# Allegro board 1155001-Timing_board_V3_20241024_1805_pcb.brd (continued)
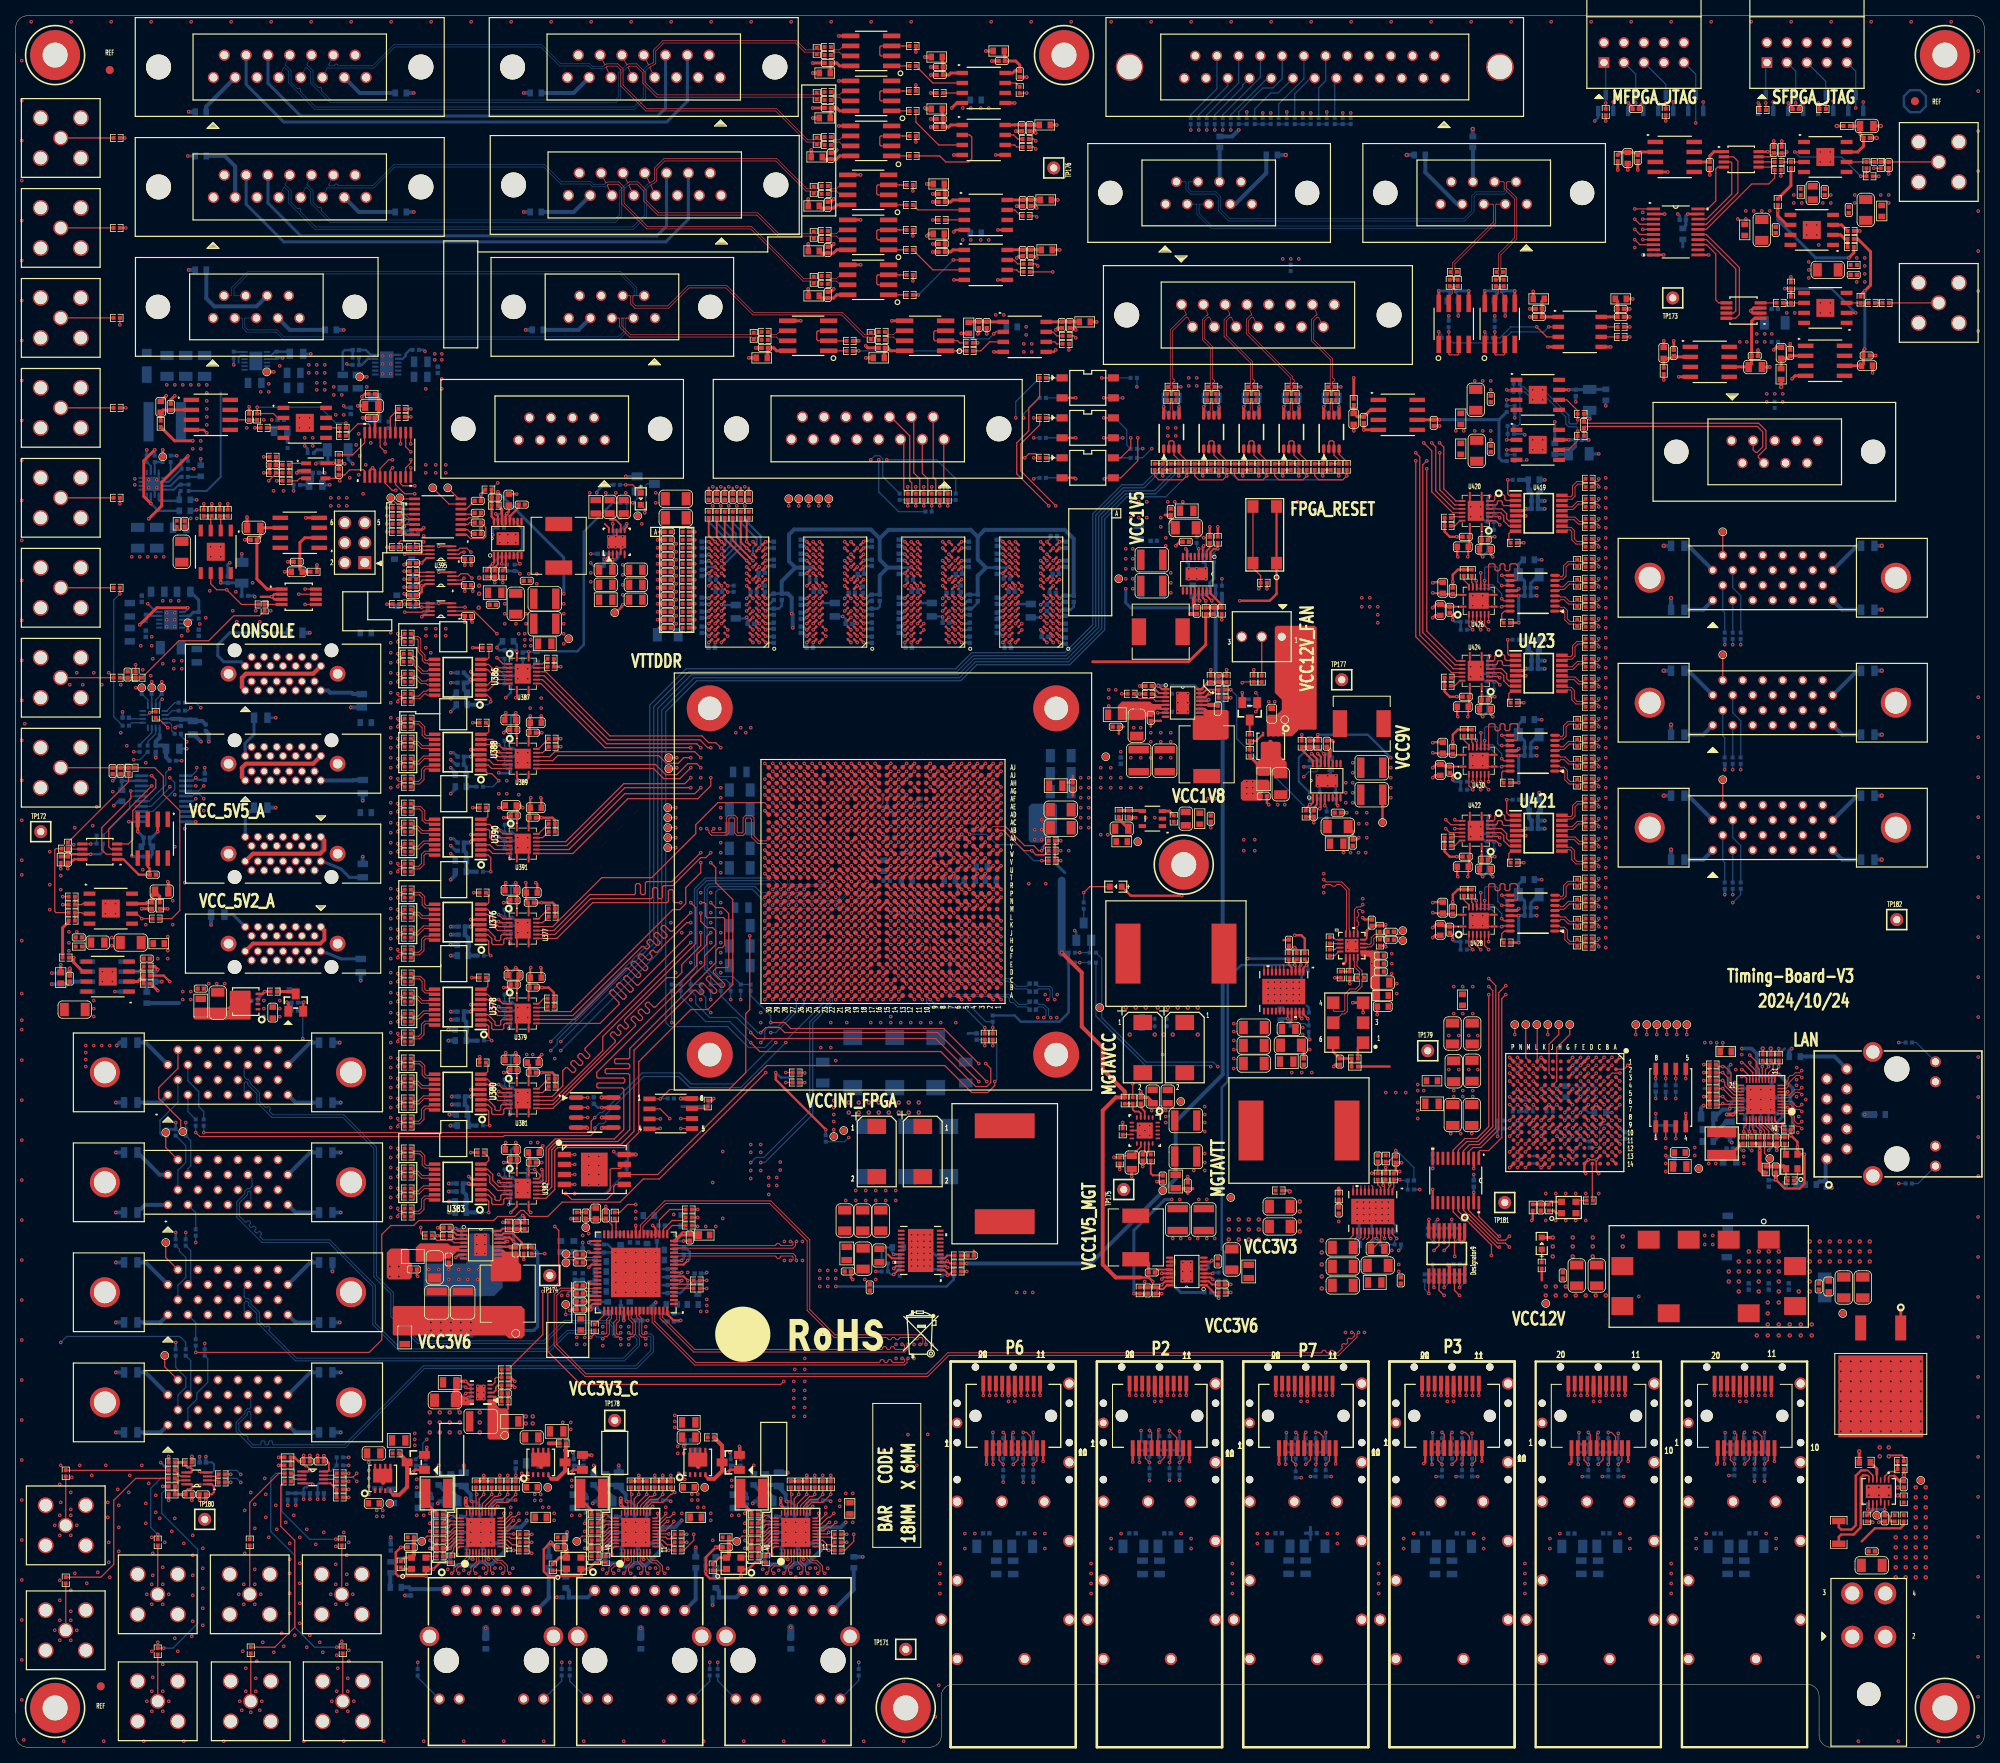
[diagram p0: board, top side]
## Routing (per net, layer and track width the routed paths; a pad name or vN(x,y) marks a point on that pad's centre or on a via; arc(x,y) is an arc through that point) (continued)
  TOP w0.305: v1(132.72,112.65) R337.1 R339.1 R338.1 v1(132.72,115.19) ; U383.5 57.91,72.14 v1(57.53,72.52) ; R2628.2 v1(42.29,32.77) ; v1(66.93,76.41) 66.49,75.96 C2894.1 ; R1054.1 C1165.2 v1(164.85,117.47) ; U88.B4 v1(202.72,84.64) ; U247.H23 v1(102.14,102) ; 140.08,128.78 140.1,128.8 C1183.1 140.72,129.67 ; U247.L2 v1(124.14,105) ; U77.G9 v1(88.03,145.17) ; U247.T12 v1(114.14,111) ; U247.M8 v1(118.14,106) ; U247.G26 v1(99.14,101) ; U88.D5 v1(200.72,83.64) ; P6.11 v1(130.08,44.7) ; P9.11 v1(204.38,44.7) ; C3072.2 180.03,107.38 v1(179.96,107.31) ; U247.Y3 v1(123.14,115) ; U78.T1 v1(107.67,153.17) ; v1(66.8,88.01) 66.36,87.57 C2883.1 ; U88.K9 v1(193.72,78.65) ; U247.R2 v1(124.14,109) ; C3078.2 180.9,123.51 180.28,123.51 v1(179.96,123.19) ; v1(183.13,110.62) 183.07,110.68 C3034.1 ; U247.P10 v1(116.14,108) ; C3032.1 v1(183.01,153.8) 182.12,153.8 181.46,154.45 R3209.2 R3211.2 ; U247.E9 v1(117.14,99) ; U247.V23 v1(102.14,113) ; U88.C2 v1(201.72,86.64) ; C505.2 206.14,208.49 v1(206.69,209.04) ; C2877.1 66.74,98.99 v1(66.67,99.06) ; U7.4 v1(70.99,71.51) ; C553.2 v1(81.51,146.3) ; R2919.2 R2917.2 68.47,85.42 68.17,85.72 v1(66.8,85.72) C2887.1 ; C938.1 171.3,105.18 v1(171.07,105.41) ; U247.A1 v1(125.14,95) ; U247.P4 v1(122.14,108) ; U247.G9 v1(117.14,101) ; v1(199.72,74.64) U88.E14 199.22,73.06 v1(199.39,72.9) ; U88.E8 v1(199.72,79.65) ; C2915.1 62.23,130.65 v1(62.23,131.44) ; C2529.2 v1(63.63,159.22) ; U247.J2 v1(124.14,103) ; C2921.1 62.57,118.11 v1(61.98,118.11) ; C865.2 R844.1 ; U77.G8 v1(88.83,145.17) ; U247.N2 v1(124.14,108) ; C3069.2 182.19,144.13 182.5,143.82 v1(182.5,143.26) ; R3227.2 R3225.2 181.46,113.81 182.12,113.16 v1(183.01,113.16) C3037.1 ; U77.F9 v1(88.03,144.37) ; U247.H8 v1(118.14,102) ; U78.G8 v1(101.27,145.17) ; U77.B3 v1(93.63,141.17) ; C555.2 v1(81.51,147.32) ; U247.U11 v1(115.14,112) ; P7.11 v1(167.23,44.7) ; R2967.2 R2965.2 v1(69.22,137.29) ; U247.U1 v1(125.14,112) ; U390.5 v1(57.78,115.96) ; R2448.1 v1(33.15,160.91) ; C629.2 v1(81.51,148.33) ; U247.AA6 v1(120.14,116) ; U88.N9 v1(190.72,78.65) ; U247.A2 v1(124.14,95) ; U431.11 v1(179.95,70.87) ; U247.K9 v1(117.14,104) ; U88.N12 v1(190.72,75.65) ; U88.C9 v1(201.72,79.64) U88.C8 ; U247.R9 v1(117.14,109) ; U323.2 32.84,146.5 v1(32.51,146.18) ; U247.K17 v1(108.14,104) ; C3071.2 v1(182.5,107.44) 182.5,108.33 183.15,108.99 R3263.2 R3264.2 ; v1(81.85,78.63) 81.79,78.57 U6.4 ; U318.8 7.41,112.82 6.97,112.38 C2586.1 v1(6.6,111.63) ; C1229.1 v1(143.13,73.79) ; v1(61.98,107.31) 62.52,107.31 C2875.1 ; U247.L1 v1(125.14,105) ; U247.R22 v1(103.14,109) ; P9.1 197.58,36.25 v1(197.38,36.04) ; U77.J2 v1(94.43,147.57) ; U76.E2 v1(131.77,143.57) ; C2947.2 58.05,147.43 v1(58.05,146.89) ; U88.A9 v1(203.72,78.65) ; R2873.1 v1(58.17,108.58) ; v1(5.97,107.06) R3115.1 ; C2879.1 62.85,96.82 62.54,96.52 v1(61.98,96.52) ; C633.2 v1(81.51,150.37) ; U76.G1 v1(132.57,145.17) ; U247.R15 v1(111.14,109) ; U247.E12 v1(114.14,99) ; C3035.1 186.96,112.85 187.27,113.16 v1(187.83,113.16) ; U247.C6 v1(120.14,97) ; C2425.1 v1(29.64,170.31) ; C2944.2 R3006.1 v1(31.5,161.93) ; U386.5 58.16,136.28 v1(57.78,136.65) ; C2864.2 v1(48.9,25.4) 48.26,24.77 48.26,22.06 48.56,21.75 v1(52.11,21.75) U375.2 v1(53.05,22.64) 53.88,23.48 v1(54.5,23.48) R2750.2 ; U78.E8 v1(101.27,143.57) ; U247.N17 v1(108.14,107) ; R2907.1 v1(58.91,87.76) ; C546.2 89.03,160.02 ; v1(57.96,142.95) 57.83,143.08 C2949.2 ; U88.M8 v1(191.72,79.65) ; P9.10 v1(204.78,36.32) ; U78.B1 v1(107.67,141.17) ; R1105.1 v1(154.31,57.78) ; U78.J2 v1(106.87,147.57) ; C547.2 90.04,160.02 ; U247.Y9 v1(117.14,115) ; U408.5 v1(124.46,202.31) ; U247.B21 v1(104.14,96) ; P2.20 v1(141.46,44.7) ; U88.L4 v1(192.72,84.64) ; C3114.1 v1(237.87,199.9) ; U78.B3 v1(106.07,141.17) ; U77.B9 v1(88.03,141.17) ; C2888.1 62.49,85.72 v1(61.98,85.72) ; C3046.1 186.96,133.17 187.27,133.48 v1(187.83,133.48) ; U247.M14 v1(112.14,106) U247.L14 ; v1(111.14,107) U247.N15 U247.M16 ; v1(134.62,161.16) 134.49,161.29 U304.2 ; U247.V16 v1(109.14,113) ; C1213.2 163.58,88.9 C1211.1 ; U247.B4 v1(122.14,96) ; U413.5 v1(124.71,186.44) ; v1(159.13,119.76) 158.9,120 C1348.1 ; U247.M21 v1(105.14,107) ; C2895.1 v1(66.8,74.3) ; C2920.1 v1(66.8,118.11) 68.17,118.11 68.47,117.8 R2998.2 R2997.2 ; U78.F9 v1(100.47,144.37) ; U77.P9 v1(88.03,151.57) ; v1(227.01,209.04) 226.46,208.49 C799.2 ; U77.T1 v1(95.23,153.17) ; U247.E6 v1(120.14,99) ; Q29.2 36.51,94.6 v1(36.58,94.67) ; U247.W17 v1(108.14,114) ; R3274.2 R3273.2 183.15,129.31 182.5,128.65 v1(182.5,127.76) C3075.2 ; v1(201.04,72.9) 200.79,73.14 ; U247.H4 v1(122.14,102) ; C3068.2 180.02,148.02 v1(179.96,147.96) ; U247.G1 v1(125.14,101) ; U76.M9 v1(125.37,149.17) ; P7.10 v1(167.63,36.01) ; U247.V8 v1(118.14,112) ; U247.T19 v1(106.14,111) ; C1007.1 C1029.2 70.61,55.63 70.48,55.5 v1(70.36,55.5) ; v1(170.56,115.57) 170.33,115.34 C1181.1 169.8,116.39 C1162.2 ; C2880.1 62.55,98.12 62.55,98.74 v1(62.23,99.06) ; U247.W9 v1(116.14,113) U247.V10 ; v1(61.98,128.91) 62.33,129.26 C2914.1 ; U247.P25 v1(100.14,108) ; U247.J9 v1(117.14,103) ; U247.T10 v1(116.14,111) ; R41.2 v1(158.9,147.19) ; U88.D11 v1(200.72,76.65) ; C1238.2 v1(141.73,72.52) ; U88.H5 v1(195.72,83.64) ; U247.A24 v1(101.14,95) ; U78.T9 v1(100.47,153.17) ; C1273.1 v1(54.99,60.71) ; R3382.2 v1(162.94,161.54) ; v1(61.98,74.3) 62.46,74.3 C2896.1 ; v1(101.14,116) U247.AA24 ; U77.J8 v1(88.83,147.57) ; U247.K27 v1(98.14,104) ; C1230.1 v1(148.84,72.52) ; 145.41,130.43 145.4,130.41 C1177.1 144.15,129.67 ; C936.2 v1(172.91,93.09) ; C603.2 v1(81.51,143.25) ; U247.L24 v1(101.14,105) ; v1(67.94,26.04) 67.06,25.15 67.06,22.35 67.65,21.75 v1(71.79,21.75) U326.2 v1(72.73,22.64) 73.57,23.48 v1(74.19,23.48) R2476.2 ; v1(187.58,130.94) 187.26,131.25 187.26,131.88 C3045.1 ; v1(183.13,151.26) 183.07,151.32 C3030.1 ; P7.14 v1(164.83,44.7) ; C2948.2 49.5,146.38 v1(49.33,146.56) ; U88.K14 v1(193.72,73.65) ; v1(199.72,87.64) U88.E1 v1(198.72,86.65) ; U247.M18 v1(107.14,106) ; U247.W30 v1(95.14,114) ; U271.2 44.97,162.21 v1(45.31,162.56) 45.62,162.26 U271.3 ; R1073.2 v1(153.16,143.26) ; R1004.1 v1(70.5,67.16) ; U432.2 183.36,64.41 v1(183.64,64.14) 184.01,64.51 U432.1 ; U414.5 v1(124.71,192.79) ; v1(178.8,36.04) 179.01,36.25 P3.1 ; U419.5 v1(191.76,156.46) ; U323.3 32.84,145.85 v1(32.51,146.18) ; R988.1 v1(167.51,97.77) ; U76.A9 v1(125.37,140.37) ; U247.D9 v1(117.14,98) ; C1221.2 v1(154.31,58.8) ; C2638.1 v1(151.76,116.84) ; R2530.2 161.67,70.74 v2(161.8,70.61) ; U88.F9 v1(197.72,78.65) ; U247.R1 v1(125.14,109) ; U247.T14 v1(112.14,111) ; U380.5 v1(57.79,83.57) ; R3366.2 v1(152.78,161.54) ; P3.14 v1(183.41,44.7) ; U75.F9 v1(112.92,144.37) ; U247.V12 v1(114.14,113) ; U88.K5 v1(193.72,83.64) ; U247.N9 v1(117.14,107) ; U247.U15 v1(111.14,112) ; U88.P1 v1(189.72,87.64) ; U247.G16 v1(109.14,101) ; U88.J6 v1(194.72,82.64) ; R2986.1 v1(58.04,119.38) ; C3073.2 182.2,103.49 182.5,103.18 v1(182.5,102.62) ; C1163.1 v1(169.04,118.75) ; U88.G12 v1(197.72,75.65) ; C2884.1 62.16,87.35 62.16,88.2 v1(62.23,88.27) ; U247.AB3 v1(123.14,117) ; U303.2 v1(134.62,166.37) ; R2751.1 C2865.2 ; U247.F4 v1(122.14,100) ; v1(49.33,150.24) 49.53,150.44 C2946.2 ; U88.C13 v1(200.72,74.65) ; U88.L8 v1(192.72,79.65) U88.M9 ; U247.D4 v1(122.14,98) ; P9.17 v1(199.58,44.7) ; P8.1 216.16,36.12 v1(216.03,35.99) ; U247.C1 v1(125.14,97) ; U76.G9 v1(125.37,145.17) ; v1(84.81,64.32) 84.86,64.37 C1014.2 ; U88.L11 v1(192.72,76.65) ; U77.E8 v1(88.83,143.57) ; U247.H13 v1(112.14,102) ; U247.R6 v1(120.14,109) ; U247.U6 v1(120.14,112) ; U77.M9 v1(88.03,149.17) ; R2982.2 v1(69.22,128.14) ; U247.Y7 v1(119.14,115) ; U247.P18 v1(107.14,108) ; U247.AH23 v1(102.14,123) ; U88.B7 v1(202.72,81.64) ; U88.B9 v1(202.72,78.65) ; R2924.1 v1(57.78,75.56) ; C1182.1 106.06,59.67 v1(106.3,59.44) ; U88.N5 v1(190.72,83.64) ; U247.U9 v1(117.14,112) U247.V9 ; R3235.1 v1(191.52,132.72) ; C3070.2 180.9,143.83 180.27,143.83 v1(179.96,143.51) ; R2971.1 v1(58.04,130.18) ; U88.L10 v1(192.72,77.65) ; C3036.1 187.29,110.91 v1(187.58,110.62) ; U247.AG26 v1(99.14,122) ; U247.W2 v1(124.14,114) ; C2912.1 v1(66.74,131.04) ; U247.F29 v1(96.14,100) ; C2945.2 v1(57.83,150.19) ; U247.E2 v1(124.14,99) ; U76.D1 v1(132.57,142.77) ; U432.8 v1(179.46,67.06) ; R2508.1 C2630.2 ; U247.T18 v1(107.14,111) ; v1(32.51,146.18) 31.11,146.18 ; C2876.1 62.16,108.92 62.16,109.79 v1(62.23,109.86) ; C1188.1 147.83,153.16 v1(147.32,152.65) ; R3203.1 v1(191.52,153.03) ; U268.4 23.88,167.39 v1(24.26,167) ; C548.2 v1(81.51,144.27) ; U247.H9 v1(117.14,102) ; R3111.1 v1(25.91,157.99) ; U88.G6 v1(197.72,81.65) ; U247.J20 v1(106.14,103) ; U88.D7 v1(200.72,81.64) U88.C7 ; U247.A6 v1(120.14,95) ; P2.10 v1(149.06,36.32) ; C597.2 91.06,160.02 ; U247.L10 v1(116.14,105) ; U88.J8 v1(194.72,79.65) ; U247.A9 v1(117.14,95) ; U88.A1 v1(203.72,87.64) ; R2954.1 v1(58.04,139.7) ; R2891.1 v1(57.91,97.79) ; C3067.2 v1(182.5,148.08) 182.5,148.97 183.15,149.63 R3251.2 R3252.2 ; R1065.2 v1(142.75,133.83) ; R2886.2 R2883.2 68.47,107.04 68.2,107.31 v1(66.8,107.31) C2873.1 ; U77.D8 v1(88.83,142.77) ; U247.U26 v1(99.14,112) ; P8.17 v1(218.16,44.7) ; U88.J10 v1(195.72,78.65) U88.H9 ; U76.P9 v1(125.37,151.57) ; U247.B9 v1(117.14,96) ; U88.E6 v1(199.72,82.64) ; v1(60.83,147.98) C2530.2 R2276.1 ; U247.B8 v1(118.14,96) ; v1(66.04,109.86) 66.23,109.66 C2874.1 ; U88.A14 v1(202.72,74.64) ; U247.D8 v1(118.14,98) ; U403.5 131.83,177.29 v1(132.08,177.55) ; v1(88.9,25.4) 87.63,24.13 v1(87.63,22.35) 87.63,21.97 88.14,21.46 91.82,21.46 v1(92.11,21.75) U328.2 v1(93.05,22.64) 93.89,23.48 v1(94.51,23.48) R2507.2 ; R3344.1 v1(225.44,186.82) ; C2253.2 v1(59.07,154.89) ; U247.V14 v1(112.14,113) ; P7.17 v1(162.43,44.7) ; v1(187.83,153.8) 187.27,153.8 186.96,153.49 C3031.1 ; U247.D15 v1(110.14,98) ; U77.G1 v1(95.23,145.17) ; U88.L6 v1(192.72,82.64) ; R3286.2 v1(236.6,199.61) ; R1056.2 v1(163.32,128.65) ; U78.E2 v1(106.87,143.57) ; v1(179.96,102.87) 180.28,103.19 180.9,103.19 C3074.2 ; U78.M9 v1(100.47,149.17) ; U88.J7 v1(194.72,81.64) 194.22,81.15 U88.K7 ; R2477.1 C2615.2 ; R2403.2 63.12,45.97 v1(63.37,45.72) ; U78.P9 v1(100.47,151.57) ; C2897.1 62.16,76.77 v1(62.23,76.83) ; U247.R13 v1(113.14,109) ; C1185.2 134.24,120.9 ; U247.AA1 v1(125.14,116) ; P7.20 v1(160.03,44.7) ; P2.14 v1(146.26,44.7) ; P2.17 v1(143.86,44.7) ; U247.L6 v1(120.14,105) ; U247.P16 v1(109.14,108) ; U76.B9 v1(125.37,141.17) ; U247.B11 v1(115.14,96) ; U247.D25 v1(100.14,98) ; U88.F5 v1(198.72,83.64) ; v1(61.34,119.38) 61.89,119.38 C2922.1 ; U247.AK27 v1(98.14,125) ; U247.N13 v1(113.14,107) ; v1(171.12,93.34) U103.3 ; U76.D8 v1(126.17,142.77) ; C524.2 v1(81.51,152.4) ; U247.R17 v1(108.14,109) ; U77.E2 v1(94.43,143.57) ; U247.N6 v1(120.14,107) ; U247.J6 v1(120.14,103) ; v1(223.52,72.14) 224.66,70.99 226.57,70.99 227.17,71.59 v1(227.17,75.35) U94.2 v1(226.28,76.29) 226.28,76.91 v1(225.44,77.74) R845.2 ; C554.2 92.08,160.02 ; U88.A6 v1(203.72,82.64) ; U247.Y17 v1(108.14,115) ; U247.R11 v1(115.14,109) ; U247.N11 v1(115.14,107) ; C552.2 v1(81.51,145.28) ; U247.U2 v1(124.14,112) ; U247.AA5 v1(121.14,115) ; U247.Y8 v1(118.14,115) ; C3047.1 v1(183.01,133.48) 182.12,133.48 181.46,134.13 R3241.2 R3243.2 ; U247.AA2 v1(124.14,116) ; R3358.2 v1(157.86,161.54) ; R2901.2 R2903.2 68.35,95.87 67.69,96.52 v1(66.8,96.52) C2878.1 ; U247.AA7 v1(119.14,116) ; U78.D8 v1(101.27,142.77) ; C3044.1 183.07,131 v1(183.13,130.94) ; U247.J30 v1(95.14,103) ; U78.A9 v1(100.47,140.37) ; U247.V4 v1(122.14,113) ; C1190.2 v1(151.64,155.07) ; R1070.1 v1(152.65,155.07) ; U247.AB4 v1(122.14,117) ; U247.AD25 v1(100.14,119) ; U78.P1 v1(107.67,151.57) ; C632.2 v1(81.51,151.38) ; C628.2 v1(81.51,149.35) ; Q21.2 v1(155.77,133.99) ; v1(179.96,127.64) 180.03,127.7 C3076.2 ; U247.W6 v1(120.14,113) ; U247.W11 v1(115.14,114) ; U76.B3 v1(130.17,141.97) ; U76.B1 v1(132.57,141.17) ; U77.M1 v1(95.23,149.97) ; C2992.2 127.36,189.46 v1(127.13,189.23) ; U435.11 v1(215.01,189.61) ; P3.11 v1(185.81,44.7) ; P9.14 v1(201.98,44.7) ; P6.14 v1(127.68,44.7) ; R3028.1 v1(47.14,152.48) ; U247.T4 v1(122.14,111) ; U88.G3 v1(197.72,85.64) ; U78.G9 v1(100.47,145.17) ; P8.11 v1(222.96,44.7) ; U77.B1 v1(95.23,141.17) ; U247.T16 v1(109.14,111) ; P8.14 v1(220.56,44.7) ; v1(51.82,154.94) 51.59,154.71 U3.15 ; P8.10 v1(223.36,36.32) ; v1(182.5,122.94) 182.5,123.5 182.2,123.81 C3077.2 ; P3.17 v1(181.01,44.7) ; U247.J10 v1(116.14,103) ; P8.20 v1(215.76,44.7) ; C3033.1 187.26,152.2 187.26,151.57 v1(187.58,151.26) ; U280.2 v1(134.62,171.45) ; U88.N3 v1(190.72,85.64) ; U247.AB21 v1(105.14,117) ; U247.N28 v1(97.14,107) ; U247.A14 v1(111.14,95) ; C2991.1 129.43,189.46 v1(129.67,189.23) ; U78.J8 v1(101.27,147.57) ; U88.G10 v1(197.72,77.65) ; U78.E1 v1(107.67,143.57) ; U247.L9 v1(117.14,105) ; P3.10 v1(186.21,36.32) ; R1147.2 v1(61.87,66.69) ; U247.T29 v1(96.14,111) ; U247.Y27 v1(98.14,115) ; U376.5 v1(57.78,105.16) ; C600.2 88.01,160.02 ; R1144.2 v1(53.56,64.99) ; U434.8 v1(222.5,202.72) ; U88.E3 v1(199.72,85.64) ; U247.C2 v1(124.14,97) ; U247.E1 v1(125.14,99) ; P3.20 v1(178.61,44.7) ; U88.E10 v1(199.72,77.65) ; C2435.1 50.95,59.92 v1(51.05,59.82) ; U247.U17 v1(108.14,112) ; U247.M12 v1(114.14,106) ; U76.J8 v1(126.17,147.57) ; U88.P14 v1(189.72,73.65) ; U247.U13 v1(113.14,112) ; U247.J1 v1(125.14,103) ; U89.4 v1(212.09,80.52) ; U247.W15 v1(110.14,114) ; U247.G6 v1(120.14,101) ; U78.G1 v1(107.67,145.17) ; U247.N1 v1(125.14,108) ; U247.G2 v1(124.14,101) ; C2254.2 v1(59.07,159.13) 59.07,159.23 R2279.2 ; U421.5 v1(191.76,115.82) ; U247.F8 v1(118.14,100) ; U247.AC18 v1(108.14,118) ; U78.D1 v1(107.67,142.77) ; U88.C6 v1(201.72,81.65) ; U77.A9 v1(88.03,140.37) ; U77.P1 v1(95.23,151.57) ; U247.P9 v1(117.14,108) ; R1089.2 v1(151.76,136.91) ; U247.Y4 v1(122.14,114) ; U78.B9 v1(100.47,141.17) ; C605.2 81.67,154.43 ; U388.5 v1(57.79,126.75) ; R3338.2 v1(168.02,161.54) ; U78.M1 v1(107.67,149.97) ; U76.F9 v1(125.37,144.37) ; R3374.2 v1(147.7,161.54) ; P9.20 v1(197.18,44.7) ; C1005.1 v1(74.93,68.71) ; U247.W20 v1(105.14,114) ; U247.K8 v1(118.14,104) ; U247.V18 v1(107.14,113) ; U76.T9 v1(125.37,153.17) ; U378.5 v1(57.79,94.37) ; U247.AJ30 v1(96.14,123) ; U247.M4 v1(122.14,107) ; U77.D1 v1(95.23,142.77) ; C601.2 81.66,142.24 ; U423.5 v1(191.76,136.14) ; R3219.1 v1(191.52,112.39) ; U247.W1 v1(125.14,114) ; C2919.1 66.74,120.58 v1(66.67,120.65) ; R3032.1 v1(47.14,145.24) ; P6.10 v1(130.48,36.32) ; U76.G8 v1(126.17,145.17) ; U88.K1 v1(193.72,87.64) ; U247.AF29 v1(96.14,121) ; U77.T9 v1(88.03,153.17) ; U76.E1 v1(132.57,143.57) ; C1176.2 v1(142.75,134.84) ; P6.17 v1(125.28,44.7) ; C551.2 93.09,160.02 ; U247.F9 v1(117.14,100) ; U75.G9 v1(112.92,145.17) ; C1272.2 v1(53.59,66.01) ; C630.2 v1(81.51,153.42) ; U88.D9 v1(200.72,78.65) ; U247.U14 v1(112.14,112) ; U247.C28 v1(97.14,97) ; U247.F19 v1(106.14,100) ; U88.A11 v1(203.72,76.65) ; U247.P12 v1(114.14,108) ; U247.E22 v1(103.14,99) ; R2075.2 v1(30.35,167.64) ; U247.M9 v1(117.14,106) ; U247.AC28 v1(97.14,118) ; U247.W13 v1(113.14,114) ; U75.M1 v1(120.12,149.97) ; R1108.2 v1(145.54,57.64) ; U76.E8 v1(126.17,143.57) ; U247.C9 v1(117.14,97) ; U247.K4 v1(122.14,104) ; U79.7 v1(74.42,81.28) ; U247.C18 v1(107.14,97) ; U77.E1 v1(95.23,143.57) ; U247.A5 v1(121.14,95) ; C2913.1 v1(66.8,128.91) ; U247.P8 v1(118.14,108) ; P6.20 v1(122.88,44.7) ; R2981.2 v1(69.22,127.13) ; U247.T8 v1(118.14,111) ; P2.11 v1(148.66,44.7) ; C1231.1 v1(144.93,71.86)
  TOP w0.356: P6.1 v1(123.28,35.97) ; C2615.2 v1(72.29,25.27) ; R868.2 R869.2 R872.2 ; Q23.2 73.09,37.14 v1(73.15,37.08) ; U103.3 v1(169.8,94.61) ; C2799.2 v1(22.37,31.37) ; P7.1 v1(160.43,36) ; C2802.2 v1(37.36,37.08) ; R2525.2 R2522.2 R2521.2 ; v1(52.2,38.1) 52.2,37.44 Q27.2 ; R2768.2 R2765.2 R2764.2 ; C2801.2 v1(38.33,37.08) ; C2800.2 v1(23.35,31.37) ; Q25.2 v1(91.91,38.23) ; v1(223.65,75.84) C865.2 ; R2494.2 R2491.2 R2490.2 ; C2630.2 v1(92.61,25.27) ; C2865.2 v1(52.6,25.27) ; P2.1 v1(141.86,36.25)
  TOP w0.381: U457.5 v1(202.56,177.93) ; C3110.1 v1(210.57,178.69) ; C2972.1 134.39,180.32 v1(134.62,180.09) ; C3100.2 v1(235.81,174.62) ; R2534.2 141.46,118.11 v1(142.24,118.11) ; U437.5 v1(168.06,170.31) ; U444.4 v1(211.2,174.12) ; U317.4 v1(15.49,116.33) ; R3129.2 17.65,99.19 v1(18.03,98.81) ; U433.4 v1(209.8,200.15) ; v1(190.88,106.55) 190.64,106.31 U427.12 ; C3090.1 v2(236.35,204.47) ; v1(225.6,173.88) 225.98,174.26 U439.4 ; U443.2 220.63,182.21 v1(220.34,182.5) 220.71,182.87 U443.3 ; C3081.1 v1(205.99,200.41) ; C2981.2 v1(127,205.34) ; R2622.1 v1(22.37,36.96) ; R3343.2 v1(234.19,192.66) ; C2423.1 19.68,171.2 v1(20.19,171.7) ; v1(59.44,34.54) R2765.2 ; C3137.1 v1(171.2,167.39) U454.4 ; C3089.2 v2(236.85,205.99) ; C2995.1 129.43,195.81 v1(129.67,195.58) ; 146.69,155.7 C1187.1 145.97,156.57 ; C2557.1 v1(16,106.53) ; U429.12 190.64,126.63 v1(190.88,126.87) ; U448.5 v1(162.98,170.31) ; U425.12 190.64,146.95 v1(190.88,147.19) ; v1(129.54,205.1) 129.31,205.34 C2980.1 ; v1(79.12,34.54) R2491.2 ; C3146.2 v1(204.98,181.74) ; C3113.2 v1(222.76,175.37) ; C2984.1 v1(123.95,214.25) ; C2596.2 v1(34.16,149.35) ; C3112.1 v1(221.25,177.53) ; v1(214.38,82.68) R869.2 ; U322.4 v1(36.83,156.21) ; v1(19.3,109.98) 19.39,109.89 C2558.2 ; C2595.1 v1(34.54,150.62) ; C3082.2 v1(204.72,200.41) ; DS24.2 v2(195.2,64.77) ; C3098.2 223.6,177.88 v1(223.27,177.55) ; R2525.2 v1(100.46,34.54) ; v1(167.39,86.49) 167.62,86.72 C930.1 ; C3145.1 v1(204.98,182.75) ; C2597.1 v1(29.08,153.42) ; v1(132.08,180.09) 132.31,180.32 C2973.2 ; C2985.2 v1(128.4,212.2) ; U447.5 v1(147.74,170.31) ; C3101.1 v1(236.22,176.83) ; C3138.1 v1(180.83,167.87) ; U432.13 182.06,61.14 v1(181.86,61.34) ; C3083.1 v1(215.14,199.77) ; C3136.2 v1(169.93,167.26) ; C3099.1 v1(225.34,178.32) ; C3111.2 v1(209.3,178.69) ; C2598.2 v1(29.38,156.3) ; C2424.2 v1(19.11,171.7) ; C2996.2 v1(127.13,195.81) ; C2420.2 v1(44.07,168.91) ; U409.5 v1(126.87,208.91) ; C3084.1 v1(223.27,204.09) ; U445.5 v1(157.9,170.31) ; U446.5 v1(152.82,170.31) ; C2421.2 v1(43.44,170.43)
  TOP w0.508: v1(74.42,78.66) 74.47,78.71 75.86,78.71 U79.5 ; C2614.2 68.58,25.4 v1(67.94,26.04) ; v1(72.57,78.66) 72.49,78.74 U79.4 ; C839.2 v1(223.52,72.14) ; C3014.1 v1(6.86,98.93) ; C2629.2 v1(88.9,25.4) ; U79.6 v1(74.42,80.01)
  BOTTOM w0.203: U98.12 18.28,132.83 v1(18.59,133.15)
  BOTTOM w0.229: U239.9 33.01,176.37 R1895.2
  BOTTOM w0.254: v1(16.76,145.29) 17.8,144.26 U321.5 ; U392.10 17.65,159.76 v1(17.91,160.02) ; v1(76.2,153.8) 75.93,154.07 C97.2 ; v1(23.34,33.27) 23.48,33.41 U350.4 ; U392.4 18.15,161.28 v1(17.91,161.04) ; 22.48,143.26 U321.8 ; 63.63,70.99 63.25,71.37 R2926.2 ; v1(47.62,176.78) 47.76,176.92 U133.7
  BOTTOM w0.305: C509.2 C492.2 ; C492.2 110.68,119.45 v1(111.14,119) 111.51,118.63 R159.2 ; C492.2 109.61,119.5 C514.2 ; v1(60.33,28.57) 60.45,28.7 C2863.2 ; C568.2 124.69,145.17 v1(125.37,145.17) ; v1(100.47,145.17) 100.44,145.14 C612.2 ; v1(195.72,78.65) 196.22,78.15 C793.2 ; v1(197.72,85.64) 198.22,86.14 C773.2 198.25,86.17 v1(198.72,86.65) ; C2268.2 119.64,112.5 v1(120.14,113) ; C620.2 101.33,147.52 v1(101.27,147.57) ; C1023.2 75.54,62.87 ; C2256.2 v1(139.47,74.95) ; C792.2 198.22,78.14 v1(198.72,78.65) ; R3151.2 v1(22.61,162.43) ; U324.11 v1(14.35,117.6) ; U351.4 37.58,35.04 v1(37.72,35.18) ; v1(100.47,153.17) 100.21,153.44 C619.2 ; C2580.1 56.26,42.67 v2(56.39,42.55) ; v1(134.49,103.76) 134.69,103.57 Q15.2 ; v1(186.06,136.02) 186.69,135.38 R3242.2 ; C795.2 194.22,78.15 v1(193.72,78.65) ; v1(113.72,147.57) 113.77,147.52 C543.2 ; C1035.2 82.17,54.1 ; v1(112.92,144.37) 112.71,144.16 C534.2 ; R2416.1 v1(114.3,160.15) ; C271.2 v1(73.03,151.64) ; v1(109.22,60.45) R1042.1 ; v1(125.37,141.17) 124.95,141.59 C564.2 ; U314.2 v1(140.59,171.45) ; C461.2 114.64,116.5 v1(115.14,117) 114.64,117.5 C515.2 ; C562.2 132.75,140.99 v1(132.57,141.17) ; C3091.1 168.06,169.98 v1(168.06,170.31) 168.06,171.37 C3095.2 ; R2904.2 63.12,94.61 v1(63.75,93.98) ; C641.2 76.33,75.31 v1(75.95,75.69) ; C796.2 U88.L11 v1(192.72,76.65) ; R2560.1 v1(125.41,33.68) ; C3116.2 157.9,171.37 v1(157.9,170.31) 157.9,169.98 C3115.1 ; R164.2 120.54,115.6 v1(120.14,116) ; v1(220.34,83.57) 220.22,83.69 C855.2 ; R2437.2 v1(127.95,33.66) ; v1(95.23,143.57) 95.53,143.87 C578.2 ; C996.1 82.14,57.71 ; R2558.1 v1(180.37,34.4) ; C573.2 131.3,147.1 v1(131.77,147.57) ; C531.2 120.13,153.18 v1(120.12,153.17) ; v1(64.03,149.1) 63.67,149.46 R2275.1 R2274.2 ; v1(105.27,145.97) 105.77,146.47 C618.2 ; C759.2 194.19,84.11 v1(193.72,83.64) ; v1(112.92,145.17) 112.82,145.27 C529.2 ; v1(122.14,100) 121.7,100.44 C2277.2 ; C153.2 111.67,105.53 v1(112.14,106) 112.61,105.53 C497.2 ; v1(200.72,83.64) 200.26,84.11 C757.2 ; U315.2 138.38,161.29 v1(138.25,161.16) ; C532.2 112.65,153.44 v1(112.92,153.17) ; C151.2 107.14,108.03 v1(107.14,108) 106.72,107.58 C500.2 ; R1103.2 153.8,59.31 v1(154.31,58.8) ; R1143.1 58.29,64.77 58.42,64.9 ; v1(124.14,120) 124.64,120.5 C511.2 ; C3080.2 v1(185.17,72.77) ; C592.2 93.33,146.47 v1(92.83,145.97) ; C607.2 107.8,142.89 v1(107.67,142.77) ; R2927.2 v1(65.02,71.75) 66.69,71.75 R2929.2 ; C782.2 191.22,83.12 191.22,83.15 v1(190.72,83.64) 190.24,83.17 C786.2 ; C499.2 107.64,110.5 v1(107.14,111) ; C2263.2 120.61,100.53 v1(120.14,101) ; R2966.2 63.37,136.14 ; C577.2 106.98,147.47 v1(106.87,147.57) ; v1(114.14,120) 114.68,120.54 R161.2 ; C575.2 87.48,148.82 87.83,149.17 v1(88.03,149.17) 88.12,149.08 R492.2 ; R1068.2 151.13,150.35 v1(151.13,149.73) ; v1(108.14,114) 107.67,114.47 C502.2 ; C571.2 130.28,141.85 v1(130.17,141.97) ; C581.2 88.88,147.52 v1(88.83,147.57) ; R3176.2 v1(222.1,33.78) ; C797.2 191.22,86.14 v1(190.72,85.64) 190.22,86.14 C771.2 ; C2270.2 121.98,111.16 v1(122.14,111) 121.86,110.72 C2258.2 ; v1(107.14,113) 107.64,112.5 C503.2 ; v1(88.03,153.17) 88.02,153.18 C586.2 ; R665.2 199.23,80.14 v1(199.72,79.65) ; v1(57.78,28.57) 57.91,28.7 C2855.2 ; 186.44,116.08 R3228.2 ; R657.2 204.24,78.12 v1(203.72,78.65) ; C579.2 92.94,143.45 v1(92.83,143.57) 92.68,143.42 C588.2 ; v1(63.75,115.57) 63.12,116.2 R3000.2 ; C2799.2 v1(22.37,31.37) ; v1(113.14,112) 112.68,111.55 C422.2 ; v1(122.14,102) 122.64,102.5 C146.2 ; R1069.1 148.97,150.48 v1(148.97,149.73) ; v1(112.92,141.17) 112.5,141.59 C541.2 ; C567.2 125.1,153.44 v1(125.37,153.17) ; C999.1 82.14,59.74 ; C609.2 99.93,151.66 99.95,151.64 100.4,151.64 v1(100.47,151.57) ; v1(99.06,28.57) 98.93,28.7 C2622.2 ; C518.2 116.66,114.52 v1(117.14,115) ; R2559.1 v1(143.98,33.89) ; v1(95.23,145.17) 95.66,145.17 C595.2 ; v1(194.72,81.64) 194.42,81.34 R666.2 ; R2080.2 42.16,175.64 v1(42.04,175.77) ; C2278.2 122.64,108.5 v1(122.14,108) ; v1(95.23,153.17) 96.25,153.17 C591.2 ; v1(91.91,38.23) 92.08,38.06 R2540.2 ; C510.2 123.64,123.5 v1(123.14,123) ; C589.2 95.35,150.09 v1(95.23,149.97) 95.14,149.88 C593.2 ; v1(73.03,150.5) 73.41,150.11 R219.2 ; C2265.2 120.61,98.53 v1(120.14,99) 120.61,99.47 C2261.2 ; R1080.1 v1(178.31,70.87) ; v1(63.75,104.78) 63.12,105.41 R2884.2 ; C785.2 193.24,74.18 C787.2 193.25,74.12 v1(193.72,73.65) 194.22,74.15 C779.2 ; R3187.2 v1(204.22,34.4) ; C535.2 117.71,143.56 117.72,143.57 v1(117.72,143.61) 117.66,143.68 C250.2 ; 75.59,63.47 75.18,63.88 R994.1 ; v1(65.02,137.03) 65.34,137.03 C2909.1 ; C583.2 87.95,144.29 v1(88.03,144.37) ; v1(220.34,81.03) 220.22,81.15 C849.2 ; R1092.1 164.21,90.17 164.34,90.04 v1(164.34,89.92) ; Q10.2 v1(77.47,161.48) ; R3118.2 v1(20.45,164.1) ; R1079.1 172.19,66.66 172.34,66.8 ; v1(190.88,147.19) 190.61,146.92 R3246.2 ; C506.2 112.83,149.08 v1(112.92,149.17) 113.14,148.95 R458.2 ; v1(186.06,115.7) 186.69,115.06 R3226.2 ; R2356.1 v1(156.34,207.77) ; v1(63.75,83.19) 63.12,83.82 R2918.2 ; v1(109.14,122) 108.73,122.41 C490.2 ; C150.2 108.64,114.5 v1(108.14,115) ; C517.2 121.64,119.5 v1(121.14,119) 120.63,118.49 C462.2 ; C2274.2 122.64,104.5 v1(122.14,104) ; 166.5,123.32 v1(166.62,123.44) 167,123.83 C1164.2 ; C520.2 119.99,147.57 v1(119.32,147.57) ; v1(63.75,71.75) 63.12,72.39 R2923.2 ; v1(216.03,89.53) 216.03,88.69 C841.2 216.79,88.86 v1(216.79,89.53) ; C3007.2 v1(22.99,158.5) ; L3.1 113.86,110.72 v1(114.14,111) U247.U11 C420.2 ; C2628.2 100.46,28.7 v1(100.33,28.57) ; C516.2 116.54,123.4 v1(116.14,123) ; U313.2 v1(140.59,166.37) ; R490.2 125.46,149.08 v1(125.37,149.17) 124.9,149.17 124.9,149.17 124.68,149.17 C563.2 ; C558.2 125.58,140.15 v1(125.37,140.37) ; C790.2 192.23,83.11 192.26,83.11 v1(192.72,82.64) ; C44.2 v1(87.12,82.42) ; v1(88.03,141.17) 87.61,141.59 C582.2 ; v1(118.14,118) 118.64,118.5 C512.2 ; C2430.1 41.89,170.2 v1(41.66,170.43) ; C2279.2 119.67,106.53 v1(120.14,107) 120.61,107.47 C2266.2 ; C3005.1 v1(23.5,163.7) ; C2911.1 61.11,139.82 v1(61.11,139.7) 61.11,139.67 61.42,139.37 C2908.1 ; v1(186.06,156.34) 186.69,155.7 R3210.2 R3212.2 ; v1(70.1,57.4) 70.1,57.66 70.87,58.42 R1005.2 70.99,58.53 C1024.1 C1026.2 ; R3255.1 R3256.1 182.75,102.36 v1(182.5,102.62) ; 163.96,94.23 164.23,93.96 R1093.1 ; v1(20.24,129.54) 20.48,129.77 C883.2 ; v1(63.75,137.03) 63.63,137.16 R2963.2 ; R2410.1 v1(117.35,160.15) ; R1077.1 175.91,63.39 v1(175.64,63.12) ; C1011.2 87.63,60.2 v1(87.76,60.33) ; v1(132.57,143.57) 132.74,143.74 C561.2 ; C504.2 114.61,105.53 v1(114.14,106) 113.93,105.79 113.9,105.79 C501.2 ; C778.2 197.25,76.11 v1(197.72,75.65) 198.19,76.11 C780.2 ; 63.37,93.6 R2902.2 ; v1(130.17,143.57) 130.14,143.55 C566.2 ; C611.2 108.66,143.92 108.23,143.92 107.88,143.57 v1(107.67,143.57) ; C2276.2 119.64,114.5 v1(119.14,115) 118.67,114.53 C2269.2 ; C559.2 126.09,147.49 v1(126.17,147.57) ; C152.2 108.66,110.52 v1(109.14,111) ; C585.2 94.45,147.59 v1(94.43,147.57) ; v1(197.72,77.65) 197.26,77.18 C768.2 ; C610.2 100.06,141.59 v1(100.47,141.17) ; C3119.1 147.74,169.98 v1(147.74,170.31) 147.74,171.37 C3120.2 ; v1(125.37,144.37) 124.79,144.37 C556.2 ; D1.1 v1(214.31,209.04) ; C538.2 112.83,151.66 v1(112.92,151.57) ; C536.2 121.03,142.77 v1(120.12,142.77) ; R2616.2 v1(42.29,35.81) ; C3006.2 22.86,157.1 v1(22.99,157.23) ; C617.2 105.39,143.37 105.09,143.68 v1(105.03,143.68) C616.2 ; v1(155.77,133.99) 155.77,133.45 156.07,133.15 R1196.2 ; R2435.2 v1(146.52,33.91) ; R2329.2 v1(20.32,65.41) ; v1(103.14,109) 103.64,108.5 R276.2 ; v1(132.57,142.77) 132.57,142.77 C560.2 ; 163.58,97.28 163.3,97.56 R1095.1 ; C2264.2 120.61,108.53 v1(120.14,109) ; v1(116.14,108) 115.67,107.53 C495.2 ; C794.2 194.22,87.15 v1(193.72,87.64) 193.22,87.14 C774.2 ; C2641.1 v1(63.5,34.54) ; C622.2 107.73,141.12 v1(107.67,141.17) ; 167.64,122.3 v1(167.64,122.17) R1053.1 ; C594.2 95.28,141.12 v1(95.23,141.17) ; R1894.2 v1(27.69,175.64) ; R2413.1 v1(115.32,160.15) ; C569.2 125.28,151.66 v1(125.37,151.57) ; D4.1 v1(202.88,209.04) ; C1009.1 82.14,60.76 ; C866.2 223.41,72.03 v1(223.52,72.14) ; C148.2 118.61,112.47 v1(118.14,112) ; R2459.2 v1(33.02,130.81) ; C2259.2 120.61,103.47 v1(120.14,103) 119.67,102.53 C2273.2 ; C3118.2 152.82,171.37 v1(152.82,170.31) 152.82,169.98 C3117.1 ; R2439.2 v1(164.41,34.4) ; v1(73.15,37.08) 72.62,37.08 R2537.2 ; C621.2 107.72,149.93 v1(107.67,149.97) 107.8,150.09 C608.2 ; R3408.1 191.52,166.88 v1(191.64,166.75) ; v1(95.23,142.77) 96.14,142.77 C580.2 ; R3265.1 R3266.1 182.75,122.68 v1(182.5,122.94) ; C1027.1 74.31,56.66 74.39,56.58 C1028.2 ; C530.2 120.17,141.12 v1(120.12,141.17) ; v1(78.74,28.57) 78.61,28.7 C2607.2 ; v1(88.03,145.17) 87.93,145.27 C590.2 ; R2433.2 v1(182.91,34.4) ; C2275.2 119.67,104.54 v1(120.14,105) ; C1021.1 v1(72.01,64.14) ; C528.2 118.22,146.47 v1(117.72,145.97) ; C2272.2 120.64,114.5 v1(121.14,115) ; D5.1 v1(234.63,209.04) ; C1030.1 v1(80.26,54.23) ; v1(190.88,106.55) 190.74,106.41 R3258.2 ; R3268.2 190.48,126.47 v1(190.88,126.87) ; R2776.2 52.2,36.72 v1(52.2,38.1) ; v1(124.14,109) 124.52,109.39 C2271.2 ; C789.2 190.27,78.2 v1(190.72,78.65) 191.19,78.18 C781.2 ; v1(107.67,153.17) 107.81,153.31 C614.2 ; R2438.2 v1(167.07,34.4) ; R8.2 132.23,153.51 v1(132.57,153.17) 132.58,153.18 C570.2 ; C140.2 v1(181.86,61.34) ; v1(120.12,145.17) 120.41,145.17 120.88,145.65 C507.2 ; C623.2 100.38,149.08 v1(100.47,149.17) 100.82,148.82 R494.2 ; C2110.2 v1(37.47,177.04) ; 63.37,115.19 R2999.2 ; R1052.2 165.61,121.85 ; C615.2 100.27,144.16 v1(100.47,144.37) ; C2599.2 v1(24,124.46) ; 120.9,90.68 120.92,90.7 C217.2 ; C2600.2 13.1,123.59 v1(12.32,122.81) ; R2920.2 63.37,82.8 ; R3119.1 v1(16.64,164.85) ; v1(88.03,140.37) 87.99,140.33 C587.2 ; 174.75,66.8 175.28,66.27 R1078.1 ; R2984.2 63.25,125.86 v1(63.75,126.36) 63.25,126.87 R2983.2 ; v1(59.05,28.57) 58.93,28.7 C2857.2 ; C2620.2 97.92,28.7 v1(97.79,28.57) ; C1033.1 82.04,55.12 ; C754.2 199.19,84.11 v1(198.72,83.64) 198.26,84.11 C753.2 ; C758.2 195.23,84.13 v1(195.72,83.64) 196.09,84.01 L41.1 ; C539.2 121.03,149.97 v1(120.12,149.97) 120.16,149.93 C540.2 ; 116.2,63.12 116.82,62.5 R1048.2 ; C613.2 108.44,145.65 107.96,145.17 v1(107.67,145.17) ; v1(106.14,121) 106.64,121.5 C508.2 ; R1046.1 116.35,60.73 116.2,60.58 ; v1(109.14,113) 108.64,112.5 C498.2 ; v1(113.14,107) 112.64,107.5 C419.2 ; C1032.2 76.83,56.77 ; R3253.1 R3254.1 182.75,143 v1(182.5,143.26) ; v1(220.34,82.3) 220.22,82.17 C847.2 ; C463.2 119.59,122.54 v1(120.14,122) 120.64,122.5 C519.2 ; v1(112.92,140.37) 112.92,139.79 C542.2 ; v1(120.14,97) 120.61,96.53 C144.2 ; R2432.2 v1(185.67,34.4) ; C3085.2 v1(206.63,189.61) ; R2434.2 v1(147.79,33.91) ; R2197.2 R2192.2 v1(20.32,79.38) ; C496.2 114.61,107.53 v1(114.14,108) ; C3122.2 162.98,171.37 v1(162.98,170.31) 162.98,169.98 C3121.1 ; C584.2 87.86,151.4 v1(88.03,151.57) ; C882.2 v1(21.72,126.87) ; v1(120.12,143.57) 120.42,143.87 C533.2 ; R3186.2 v1(201.49,34.4) ; C2950.2 53.68,145.31 v1(53.72,145.35) ; C147.2 121.71,106.57 v1(122.14,107) ; R3185.1 v1(198.95,34.4) ; C557.2 130.96,144.38 v1(131.77,143.57) ; C767.2 200.26,79.11 v1(200.72,78.65) ; R2185.1 v1(166.5,207.77) ; R2436.2 v1(129.22,33.66) ; 63.37,104.39 R2887.2 ; C491.2 112.62,122.48 v1(113.14,123) 113.64,123.5 C513.2 ; C642.2 73.89,81.28 v1(74.42,81.28) ; R3174.1 v1(217.55,34.52) ; C565.2 132.48,149.88 v1(132.57,149.97) 132.57,149.97 C572.2 ; C798.2 v1(208.28,82.42) ; C995.1 82.14,58.72 ; R1895.2 v1(33.91,176.51) ; D6.1 v1(230.82,209.17) ; C2267.2 117.92,110.78 v1(118.14,111) ; 186.44,136.4 R3244.2 ; R2451.2 v1(20.32,51.44) ; v1(80.01,28.57) 80.14,28.7 C2613.2 ; C783.2 191.22,75.14 v1(190.72,75.65) 190.24,75.17 C788.2 ; C885.2 v1(13.57,131.55) ; D2.1 v1(210.5,209.04) ; v1(77.47,28.57) 77.6,28.7 C2605.2 ; R2561.1 v1(163.26,34.25) ; 81.43,63.45 C1015.1 ; C606.2 100.44,140.33 v1(100.47,140.37) ; R2188.1 v1(161.42,207.77) ; D3.1 v1(206.69,209.04) ; R3175.2 v1(220.83,33.78) ; v1(132.57,145.17) 132.92,145.52 C545.2 ; D7.1 v1(227.01,209.04) ; C2910.1 64.39,136.4 ; D8.1 v1(223.2,209.04) ; C1012.1 v1(84.81,64.32)